# KiCad board raw.kicad_pcb (continued)
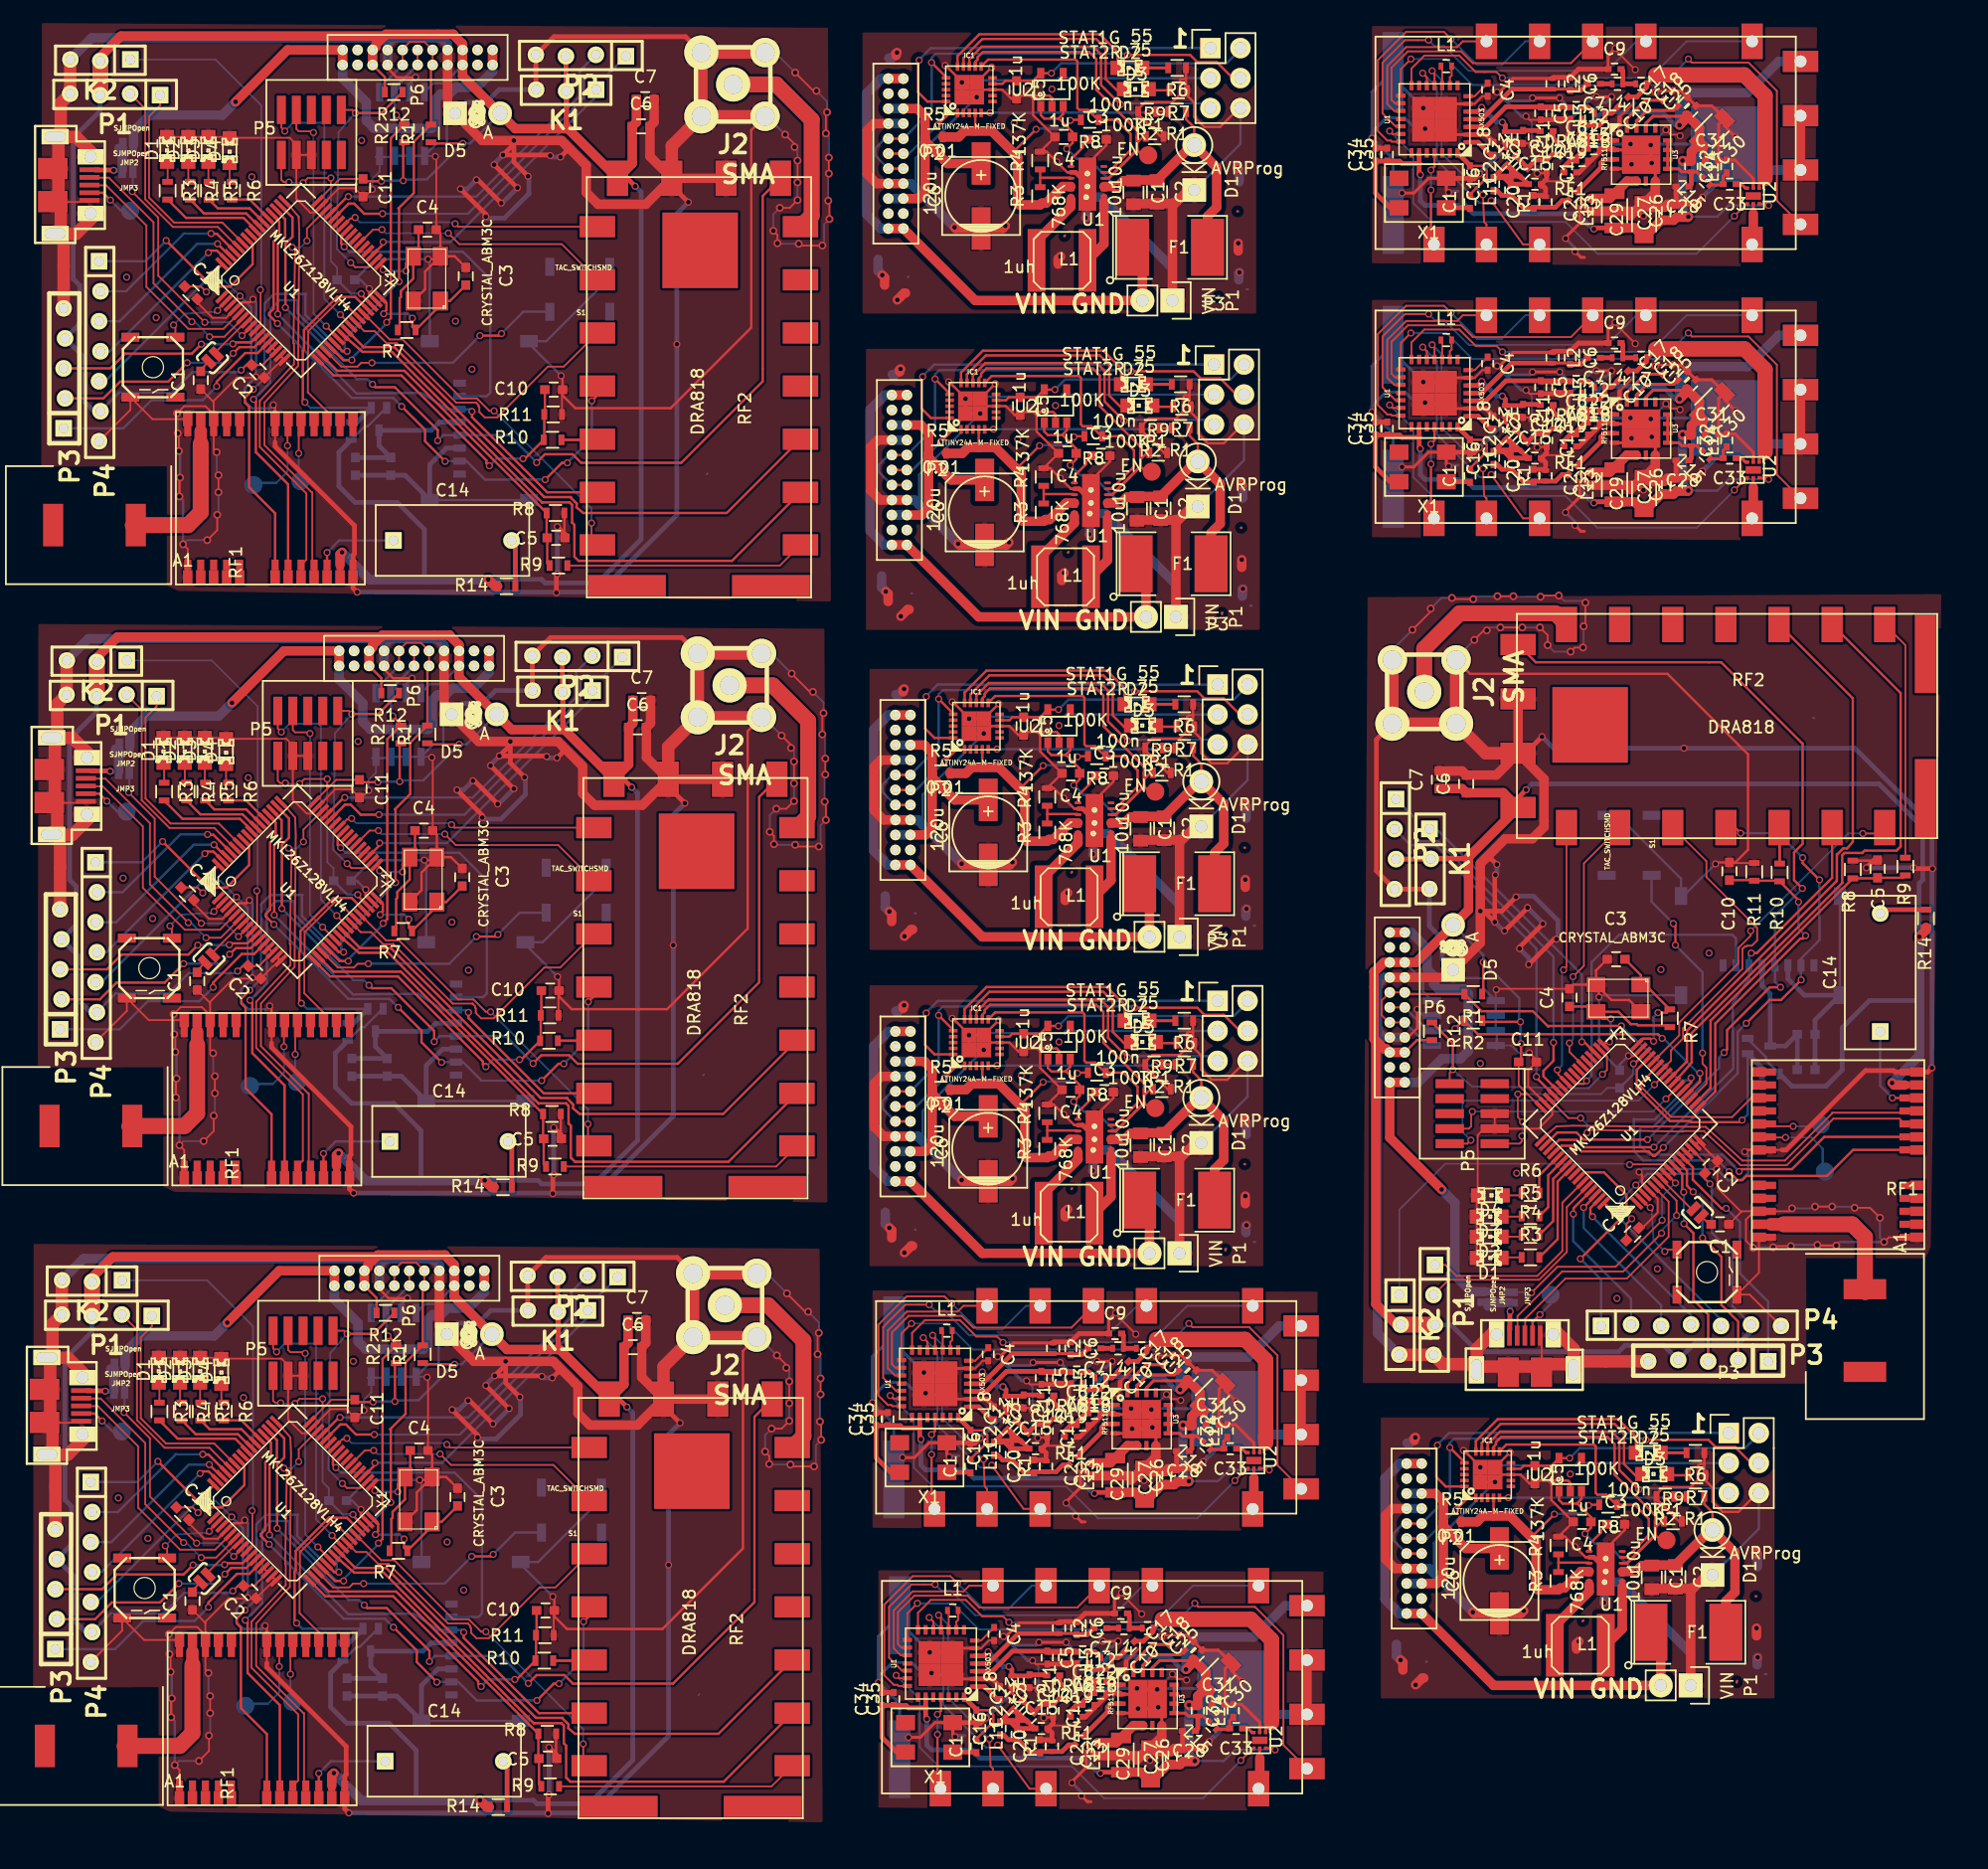
[diagram p0: board, top side]
## Routing (per net, layer and track width the routed paths; a pad name or vN(x,y) marks a point on that pad's centre or on a via; arc(x,y) is an arc through that point) (continued)
  Top w0.8: v1(120.78,17.45) 120.88,17.35 C6#5.2 124.85,17.35 v1(125.07,17.58) ; v1(77.47,54.05) 77.58,53.95 C6#4.2 81.55,53.95 v1(81.78,54.18) ; v1(77.47,80.85) 77.58,80.75 C6#3.2 81.55,80.75 v1(81.78,80.98) ; v1(77.18,107.95) 77.28,107.85 C6#2.2 81.25,107.85 v1(81.47,108.08) ; v1(76.88,134.75) 76.98,134.65 C6.2 80.95,134.65 v1(81.18,134.88) ; C1#5.2 135.97,19.45 139.17,19.45 139.22,19.5 139.22,19.25 ; C1#4.2 92.68,56.05 95.88,56.05 95.93,56.1 95.93,55.85 ; C1#3.2 92.68,82.85 95.88,82.85 95.93,82.9 95.93,82.65 ; C1#2.2 92.38,109.95 95.57,109.95 95.62,110 95.62,109.75 ; C1.2 92.07,136.75 95.28,136.75 95.32,136.8 95.32,136.55 ; 139.22,19.25 140.57,20.6 D1#5.1 ; 139.22,19.25 P1#5.1 ; 95.93,55.85 97.28,57.2 D1#4.1 ; 95.93,55.85 P1#4.1 ; 95.93,82.65 97.28,84 D1.1 ; 95.93,82.65 P1#3.1 ; 95.62,109.75 96.97,111.1 D1#3.1 ; 95.62,109.75 P1#2.1 ; 95.32,136.55 96.68,137.9 D1#2.1 ; 95.32,136.55 P1.1 ; C7#4.2 119.85,88.7 C6#9.2 122.75,88.35 RF2#4.9 ; C7#3.2 50.73,40.25 C6#8.2 50.38,37.35 RF2#3.9 ; C7#2.2 51.13,92.75 C6#7.2 50.77,89.85 RF2#2.9 ; C7.2 51.43,143.65 C6#6.2 51.07,140.75 RF2.9 ; C29#4.2 135.42,113.7 136.22,114.5 U3#8.8 ; C29#4.2 135.72,113.25 C27#4.2 137.28,113.5 C26#4.2 ; C29#4.2 134.12,112.55 134.47,112.9 C24#4.1 ; C29#3.2 135.42,136.9 136.22,137.7 U3#7.8 ; C29#3.2 135.72,136.45 C27#3.2 137.28,136.7 C26#3.2 ; C29#3.2 134.12,135.75 134.47,136.1 C24#3.1 ; C29#2.2 93.62,6.1 94.43,6.9 U3#6.8 ; C29#2.2 93.93,5.65 C27#2.2 95.47,5.9 C26#2.2 ; C29#2.2 92.32,4.95 92.68,5.3 C24#2.1 ; C29.2 93.12,29.8 93.93,30.6 U3#5.8 ; C29.2 93.43,29.35 C27.2 94.97,29.6 C26.2 ; C29.2 91.82,28.65 92.18,29 C24.1 ; RF2#2.9 RF2#2.10 ; RF2#2.9 50.43,85.8 46.38,85.8 45.38,86.8 45.38,89.1 43.27,91.2 v1(39.25,91.2) 36.55,91.2 33.63,94.12 P6#2.8 P6#2.7 ; RF2#4.9 RF2#4.10 ; RF2#4.9 126.8,88 126.8,83.95 125.8,82.95 123.5,82.95 121.4,80.85 v1(121.4,76.83) 121.4,74.13 118.48,71.21 P6#4.8 P6#4.7 ; RF2.9 50.73,136.7 46.68,136.7 45.68,137.7 45.68,140 43.58,142.1 v1(39.55,142.1) 36.86,142.1 33.94,145.02 P6.8 P6.7 ; RF2.9 RF2.10 ; P2#2.7 70.35,116.73 69.78,116.15 69.78,112.45 70.57,111.65 P2#2.15 P2#2.16 ; P2#4.7 70.66,62.83 70.07,62.25 70.07,58.55 70.88,57.75 P2#4.15 P2#4.16 ; RF2#3.9 50.02,33.3 45.98,33.3 44.98,34.3 44.98,36.6 42.88,38.7 v1(38.85,38.7) 36.16,38.7 33.23,41.62 P6#3.8 P6#3.7 ; RF2#3.9 RF2#3.10 ; RF1#7.9 RF1#7.10 ; P2#3.7 70.66,89.63 70.07,89.05 70.07,85.35 70.88,84.55 P2#3.15 P2#3.16 ; RF1#5.9 RF1#5.10 ; P2.7 70.06,143.53 69.47,142.95 69.47,139.25 70.28,138.45 P2.15 P2.16 ; RF1#8.9 RF1#8.10 ; P2#5.7 113.95,26.23 113.38,25.65 113.38,21.95 114.17,21.15 P2#5.15 P2#5.16 ; RF1#6.9 RF1#6.10
  Top w1.056: 121.11,38.45 118.23,38.45 P1#9.4 114.56,39.24 K2#4.3 ; 121.11,38.45 121.11,39.76 122.8,41.45 ; 121.11,38.45 121.31,38.25 126.6,38.25 126.8,38.45 129.3,38.45 ; 0.48,39 0.48,41.87 P1#8.4 1.27,45.54 K2#3.3 ; 0.48,39 1.78,39 3.47,37.3 ; 0.48,39 0.27,38.8 0.27,33.5 0.48,33.3 0.48,30.8 ; 0.88,91.5 0.88,94.37 P1#7.4 1.67,98.04 K2#2.3 ; 0.88,91.5 2.18,91.5 3.87,89.8 ; 0.88,91.5 0.67,91.3 0.67,86 0.88,85.8 0.88,83.3 ; 1.18,142.4 1.18,145.27 P1#6.4 1.96,148.94 K2.3 ; 1.18,142.4 2.48,142.4 4.17,140.7 ; 1.18,142.4 0.97,142.2 0.97,136.9 1.18,136.7 1.18,134.2 ; 129.3,38.45 129.3,39.76 127.6,41.45 ; 129.3,38.45 129.54,38.69 P3#9.5 ; 0.48,30.8 1.78,30.8 3.47,32.5 ; 0.48,30.8 0.71,30.56 P3#8.5 ; 0.88,83.3 2.18,83.3 3.87,85 ; 0.88,83.3 1.11,83.06 P3#7.5 ; 1.18,134.2 2.48,134.2 4.17,135.9 ; 1.18,134.2 1.41,133.96 P3#6.5 ; RF2#4.9 121.85,90.2 J2#4.5 ; RF2#3.9 52.23,38.25 J2#3.5 ; RF2#2.9 52.63,90.75 J2#2.5 ; RF2.9 52.93,141.65 J2.5 ; J2#4.3 J2#4.2 J2#4.5 ; J2#4.5 J2#4.4 ; J2#3.5 J2#3.4 ; J2#3.5 J2#3.2 J2#3.3 ; J2.3 J2.2 J2.5 ; J2.5 J2.4 ; J2#2.4 J2#2.5 ; J2#2.5 J2#2.2 J2#2.3
  Bottom w0.152: v1(125.55,64.83) 124.65,64.83 124.03,65.45 U2#13.4 ; v1(26.85,34.55) 26.85,35.45 27.47,36.07 U2#12.4 ; v1(27.25,87.05) 27.25,87.95 27.87,88.57 U2#11.4 ; v1(27.55,137.95) 27.55,138.85 28.17,139.47 U2#10.4 ; v1(122.75,70.18) 122.7,70.13 U2#13.1 ; v1(32.2,37.35) 32.15,37.4 U2#12.1 ; v1(32.6,89.85) 32.55,89.9 U2#11.1 ; v1(32.9,140.75) 32.85,140.8 U2#10.1 ; v2(120.9,99.8) 119.35,98.25 J2#4.4 ; v2(61.82,39.2) 60.28,40.75 J2#3.4 ; v2(62.23,91.7) 60.68,93.25 J2#2.4 ; v2(62.52,142.6) 60.98,144.15 J2.4 ; v2(121.95,100.6) 122.2,100.85 v2(123.1,100.85) ; v2(62.63,38.15) 62.88,37.9 v2(62.88,37) ; v2(63.02,90.65) 63.27,90.4 v2(63.27,89.5) ; v2(63.32,141.55) 63.57,141.3 v2(63.57,140.4) ; v2(124.95,100.85) v2(126.45,100.85) ; v2(62.88,35.15) v2(62.88,33.65) ; v2(63.27,87.65) v2(63.27,86.15) ; v2(63.57,138.55) v2(63.57,137.05) ; v2(127.1,99.35) 127.65,98.8 v2(129.05,98.8) ; v2(61.38,33) 60.82,32.45 v2(60.82,31.05) ; v2(61.77,85.5) 61.23,84.95 v2(61.23,83.55) ; v2(62.07,136.4) 61.52,135.85 v2(61.52,134.45) ; v2(130.1,99.15) 130.15,99.2 v2(130.15,100.95) ; v2(61.18,30) 61.23,29.95 v2(62.98,29.95) ; v2(61.57,82.5) 61.63,82.45 v2(63.38,82.45) ; v2(61.88,133.4) 61.93,133.35 v2(63.68,133.35) ; v2(130.3,102.95) 130.15,103.1 128.5,103.1 v2(128.05,103.55) ; v2(64.97,29.8) 65.12,29.95 65.12,31.6 v2(65.57,32.05) ; v2(65.38,82.3) 65.53,82.45 65.53,84.1 v2(65.97,84.55) ; v2(65.68,133.2) 65.82,133.35 65.82,135 v2(66.28,135.45) ; v2(115.65,100.65) 113.95,98.95 J2#4.3 ; v2(62.68,44.45) 60.97,46.15 J2#3.3 ; v2(63.07,96.95) 61.37,98.65 J2#2.3 ; v2(63.38,147.85) 61.67,149.55 J2.3 ; v2(117.2,102.45) 118.1,103.35 v2(119,103.35) ; v2(64.47,42.9) 65.38,42 v2(65.38,41.1) ; v2(64.88,95.4) 65.78,94.5 v2(65.78,93.6) ; v2(65.18,146.3) 66.07,145.4 v2(66.07,144.5) ; v2(120.8,103.25) 121.05,103.5 v2(122.85,103.5) ; v2(65.28,39.3) 65.53,39.05 v2(65.53,37.25) ; v2(65.68,91.8) 65.93,91.55 v2(65.93,89.75) ; v2(65.97,142.7) 66.22,142.45 v2(66.22,140.65) ; v2(124.2,103.5) 124.25,103.45 v2(126.5,103.45) ; v2(65.53,35.9) 65.47,35.85 v2(65.47,33.6) ; v2(65.93,88.4) 65.88,88.35 v2(65.88,86.1) ; v2(66.22,139.3) 66.18,139.25 v2(66.18,137) ; v2(155.6,48.8) 155.25,49.15 v2(155.25,50.85) ; v2(10.83,4.5) 11.18,4.85 v2(12.88,4.85) ; v2(11.23,57) 11.58,57.35 v2(13.28,57.35) ; v2(11.53,107.9) 11.88,108.25 v2(13.58,108.25) ; v2(153.1,51.7) 153,51.8 v2(151.2,51.8) ; v2(13.73,7) 13.83,7.1 v2(13.83,8.9) ; v2(14.12,59.5) 14.23,59.6 v2(14.23,61.4) ; v2(14.43,110.4) 14.53,110.5 v2(14.53,112.3) ; v2(149.75,51.8) 149.6,51.65 v2(147.8,51.65) ; v2(13.83,10.35) 13.68,10.5 v2(13.68,12.3) ; v2(14.23,62.85) 14.08,63 v2(14.08,64.8) ; v2(14.53,113.75) 14.38,113.9 v2(14.38,115.7) ; v2(144.5,48.3) 144.55,48.35 v2(146.2,48.35) ; v2(10.33,15.6) 10.38,15.55 v2(10.38,13.9) ; v2(10.73,68.1) 10.78,68.05 v2(10.78,66.4) ; v2(11.03,119) 11.08,118.95 v2(11.08,117.3)
  Bottom w0.16: 113.53,113.1 RF1#8.P3 ; 113.53,136.3 RF1#7.P3 ; 71.72,5.5 RF1#6.P3 ; 71.22,29.2 RF1#5.P3 ; v1(125.28,120.95) 125.78,120.45 v1(125.78,118.45) ; v1(125.28,144.15) 125.78,143.65 v1(125.78,141.65) ; v1(83.47,13.35) 83.97,12.85 v1(83.97,10.85) ; v1(82.97,37.05) 83.47,36.55 v1(83.47,34.55) ; v1(138.32,119.3) 138.42,119.3 ; v1(138.32,142.5) 138.42,142.5 ; v1(96.53,11.7) 96.62,11.7 ; v1(96.03,35.4) 96.12,35.4 ; v1(135.84,141.71) v1(137.12,143) ; v1(93.54,34.61) v1(94.82,35.9) ; v1(94.04,10.91) v1(95.32,12.2) ; v1(135.84,118.51) v1(137.12,119.8)
  Bottom w0.2: v1(122.65,28.48) 117.47,23.3 117.47,20.75 ; v1(79.35,65.08) 74.18,59.9 74.18,57.35 ; v1(79.35,91.88) 74.18,86.7 74.18,84.15 ; v1(79.05,118.98) 73.88,113.8 73.88,111.25 ; v1(78.75,145.78) 73.57,140.6 73.57,138.05 ; 121.42,29.75 v1(121.4,29.72) ; 78.12,66.35 v1(78.1,66.32) ; 78.12,93.15 v1(78.1,93.12) ; 77.82,120.25 v1(77.8,120.22) ; 77.53,147.05 v1(77.5,147.02) ; D1#5.1 144.99,24.52 P3#4.6 144.99,27.22 ; D1#4.1 101.69,61.12 P3#5.6 101.69,63.82 ; D1.1 101.69,87.92 P3#3.6 101.69,90.62 ; D1#3.1 101.39,115.02 101.39,118.05 101.39,117.72 ; D1#2.1 101.09,141.81 101.09,144.85 101.09,144.52 ; 118,68.2 117.52,68.2 U2#13.7 116.57,67.99 v1(116.05,68.5) ; 30.23,42.1 30.23,42.59 U2#12.7 30.01,43.54 v1(30.52,44.05) ; 30.62,94.6 30.62,95.09 U2#11.7 30.41,96.04 v1(30.93,96.55) ; 30.93,145.5 30.93,145.99 U2#10.7 30.71,146.94 v1(31.23,147.45) ; U2#13.4 122.8,65.15 122.8,66.62 U2#13.3 U2#13.2 U2#13.1 121.65,70.31 121.65,71.15 119.8,71.15 119.11,71.84 ; U2#12.4 27.18,37.3 28.64,37.3 U2#12.3 U2#12.2 U2#12.1 32.33,38.45 33.18,38.45 33.18,40.3 33.87,40.99 ; U2#11.4 27.58,89.8 29.04,89.8 U2#11.3 U2#11.2 U2#11.1 32.73,90.95 33.58,90.95 33.58,92.8 34.27,93.49 ; U2#10.4 27.88,140.7 29.34,140.7 U2#10.3 U2#10.2 U2#10.1 33.03,141.85 33.88,141.85 33.88,143.7 34.57,144.39 ; v1(133.95,64.58) 133.95,64.48 133.85,64.48 133.2,63.83 C12#8.2 131.45,65.1 v1(131.45,69.55) 131.61,69.71 J1#4.SHLD ; v1(26.6,26.15) 26.5,26.15 26.5,26.25 25.85,26.9 C12#7.2 27.12,28.65 v1(31.58,28.65) 31.73,28.5 J1#3.SHLD ; v1(27,78.65) 26.9,78.65 26.9,78.75 26.25,79.4 C12#6.2 27.52,81.15 v1(31.98,81.15) 32.13,81 J1#2.SHLD ; v1(27.3,129.55) 27.2,129.55 27.2,129.65 26.55,130.3 C12#5.2 27.83,132.05 v1(32.27,132.05) 32.43,131.9 J1.SHLD ; v1(134.85,54.73) 135.13,55 v1(141.43,54.98) 142.38,54.03 143.48,54.03 144.08,54.63 144.08,56.18 v1(143.8,56.45) ; v1(16.75,25.25) 17.02,24.98 v1(17,18.68) 16.05,17.73 16.05,16.62 16.65,16.03 18.2,16.03 v1(18.48,16.3) ; v1(17.15,77.75) 17.43,77.48 v1(17.4,71.18) 16.45,70.23 16.45,69.13 17.05,68.53 18.6,68.53 v1(18.88,68.8) ; v1(17.45,128.65) 17.73,128.38 v1(17.7,122.08) 16.75,121.13 16.75,120.03 17.35,119.43 18.9,119.43 v1(19.18,119.7) ; v1(141.33,80.83) 138.61,78.11 J1#4.SHLD 138.4,79.58 133.04,84.94 S1#4.4 ; v1(42.85,18.78) 40.13,21.5 J1#3.SHLD 41.6,21.7 46.97,27.06 S1#3.4 ; v1(43.25,71.28) 40.53,74 J1#2.SHLD 42,74.2 47.37,79.57 S1#2.4 ; v1(43.55,122.18) 40.83,124.9 J1.SHLD 42.3,125.1 47.66,130.47 47.66,131.41 ; v2(147.7,48.45) 147.8,48.55 v2(149.95,48.55) ; v2(10.48,12.4) 10.58,12.3 v2(10.58,10.15) ; v2(10.88,64.9) 10.98,64.8 v2(10.98,62.65) ; v2(11.18,115.8) 11.28,115.7 v2(11.28,113.55) ; v2(151.55,48.5) 151.85,48.8 v2(155.6,48.8) ; v2(10.53,8.55) 10.83,8.25 v2(10.83,4.5) ; v2(10.93,61.05) 11.23,60.75 v2(11.23,57) ; v2(11.23,111.95) 11.53,111.65 v2(11.53,107.9) ; v1(126.22,116.1) 125.78,116.55 v1(125.78,118.45) ; v1(126.22,139.3) 125.78,139.75 v1(125.78,141.65) ; v1(84.43,8.5) 83.97,8.95 v1(83.97,10.85) ; v1(83.93,32.2) 83.47,32.65 v1(83.47,34.55) ; C8#5.1 25.88,113.5 ; 96.57,101.05 96.62,101.05 ; C9#6.1 28.88,62.9 ; 96.88,47.15 96.93,47.15 ; J1#2.SHLD J1#2.SHLD ; J1#4.SHLD J1#4.SHLD ; C8#7.1 25.18,10.1 ; C9#7.1 28.48,10.4 ; 96.88,73.95 96.93,73.95 ; C8#8.1 150,63.15 ; C9#8.1 149.7,66.45 ; C9#5.1 29.18,113.8 ; J1#3.SHLD J1#3.SHLD ; 96.28,127.85 96.32,127.85 ; C8#6.1 25.58,62.6 ; J1.SHLD J1.SHLD ; 140.17,10.55 140.22,10.55
  Bottom w0.25: v1(114.78,114.45) 114.03,113.7 RF1#8.P3 114.03,117.3 v1(112.22,119.1) ; v1(114.78,137.65) 114.03,136.9 RF1#7.P3 114.03,140.5 v1(112.22,142.3) ; v1(72.97,6.85) 72.22,6.1 RF1#6.P3 72.22,9.7 v1(70.43,11.5) ; v1(72.47,30.55) 71.72,29.8 RF1#5.P3 71.72,33.4 v1(69.93,35.2) ; v1(112.22,119.1) 112.22,123 RF1#8.P2 114.03,124.2 v1(116.58,121.65) ; v1(112.22,119.1) 112.22,119.6 113.42,120.8 115.03,120.8 115.92,119.9 v1(116.72,119.9) ; v1(112.22,142.3) 112.22,142.8 113.42,144 115.03,144 115.92,143.1 v1(116.72,143.1) ; v1(112.22,142.3) 112.22,146.2 RF1#7.P2 114.03,147.4 v1(116.58,144.85) ; v1(70.43,11.5) 70.43,15.4 RF1#6.P2 72.22,16.6 v1(74.78,14.05) ; v1(70.43,11.5) 70.43,12 71.62,13.2 73.22,13.2 74.12,12.3 v1(74.93,12.3) ; v1(69.93,35.2) 69.93,39.1 RF1#5.P2 71.72,40.3 v1(74.28,37.75) ; v1(69.93,35.2) 69.93,35.7 71.12,36.9 72.72,36.9 73.62,36 v1(74.43,36) ; v1(122.82,123) 123.57,122.25 ; 123.57,122.25 125.57,122.25 v1(125.82,122.5) ; 123.57,122.25 124.88,120.95 v1(125.28,120.95) ; v1(122.82,146.2) 123.57,145.45 ; 123.57,145.45 125.57,145.45 v1(125.82,145.7) ; 123.57,145.45 124.88,144.15 v1(125.28,144.15) ; v1(81.03,15.4) 81.78,14.65 ; 81.78,14.65 83.78,14.65 v1(84.03,14.9) ; 81.78,14.65 83.07,13.35 v1(83.47,13.35) ; v1(80.53,39.1) 81.28,38.35 ; 81.28,38.35 83.28,38.35 v1(83.53,38.6) ; 81.28,38.35 82.57,37.05 v1(82.97,37.05) ; v1(134.21,116.89) 134.12,116.98 v1(134.12,118.6) ; v1(134.21,140.09) 134.12,140.18 v1(134.12,141.8) ; v1(92.41,9.29) 92.32,9.38 v1(92.32,11) ; v1(91.91,32.99) 91.82,33.08 v1(91.82,34.7) ; v1(135.84,118.51) 135.92,118.43 v1(135.92,117) ; v1(135.84,141.71) 135.92,141.62 v1(135.92,140.2) ; v1(94.04,10.91) 94.12,10.83 v1(94.12,9.4) ; v1(93.54,34.61) 93.62,34.53 v1(93.62,33.1) ; v1(118.72,114.5) 118.82,114.6 119.53,114.6 ; v1(118.72,137.7) 118.82,137.8 119.53,137.8 ; v1(76.93,6.9) 77.03,7 77.72,7 ; v1(76.43,30.6) 76.53,30.7 77.22,30.7 ; v1(143.03,119.2) RF1#8.P1 129.62,118.6 v1(128.92,119.3) 128.92,120.6 130.92,122.6 v1(131.22,122.6) ; v1(143.03,142.4) RF1#7.P1 129.62,141.8 v1(128.92,142.5) 128.92,143.8 130.92,145.8 v1(131.22,145.8) ; v1(101.22,11.6) RF1#6.P1 87.82,11 v1(87.12,11.7) 87.12,13 89.12,15 v1(89.43,15) ; v1(100.72,35.3) RF1#5.P1 87.32,34.7 v1(86.62,35.4) 86.62,36.7 88.62,38.7 v1(88.93,38.7) ; v1(135.22,112.5) 135.32,112.6 135.32,113.7 ; v1(135.22,135.7) 135.32,135.8 135.32,136.9 ; v1(93.43,4.9) 93.53,5 93.53,6.1 ; v1(92.93,28.6) 93.03,28.7 93.03,29.8 ; v1(128.62,110.6) 129.42,109.8 v1(129.42,109.5) ; v1(128.62,133.8) 129.42,133 v1(129.42,132.7) ; v1(86.82,3) 87.62,2.2 v1(87.62,1.9) ; v1(86.32,26.7) 87.12,25.9 v1(87.12,25.6) ; v1(90.72,15) 90.22,14.5 89.93,14.5 89.43,14 87.22,14 v1(86.32,14.9) ; v1(132.53,122.6) 132.03,122.1 131.72,122.1 131.22,121.6 129.03,121.6 v1(128.12,122.5) ; v1(132.53,145.8) 132.03,145.3 131.72,145.3 131.22,144.8 129.03,144.8 v1(128.12,145.7) ; v1(90.22,38.7) 89.72,38.2 89.43,38.2 88.93,37.7 86.72,37.7 v1(85.82,38.6) ; v1(91.03,19.1) 91.32,19.4 ; v1(132.82,126.7) 133.12,127 ; v1(132.82,149.9) 133.12,150.2 ; v1(90.53,42.8) 90.82,43.1
  Bottom w0.4: v1(126.63,91.6) 127.6,90.63 v1(138.65,90.63) 153.13,90.63 159.65,84.1 159.65,80.43 ; v1(53.63,33.48) 52.65,32.5 v1(52.65,21.45) 52.65,6.98 46.12,0.45 42.45,0.45 ; v1(54.02,85.98) 53.05,85 v1(53.05,73.95) 53.05,59.48 46.52,52.95 42.85,52.95 ; v1(54.32,136.88) 53.35,135.9 v1(53.35,124.85) 53.35,110.38 46.83,103.85 43.15,103.85 ; 159.65,80.43 v1(159.7,80.43) ; 159.65,80.43 v1(159.65,63.55) ; 42.45,0.45 v1(42.45,0.4) ; 42.45,0.45 v1(25.58,0.45) ; 42.85,52.95 v1(42.85,52.9) ; 42.85,52.95 v1(25.98,52.95) ; 43.15,103.85 v1(43.15,103.8) ; 43.15,103.85 v1(26.27,103.85) ; J1#4.6 147.46,71.1 148.85,69.71 J1#4.SHLD 149.75,67.61 C9#8.1 C8#8.1 ; J1#3.6 33.12,12.65 31.73,11.25 J1#3.SHLD 29.63,10.35 C9#7.1 C8#7.1 ; J1#2.6 33.52,65.15 32.13,63.75 J1#2.SHLD 30.03,62.85 C9#6.1 C8#6.1 ; J1.6 33.82,116.05 32.43,114.65 J1.SHLD 30.33,113.75 C9#5.1 C8#5.1 ; D5#4.1 118.18,72.78 118.18,74.48 117.09,75.57 K1#4.3 ; D5#3.1 34.8,41.93 36.5,41.93 37.59,43.01 K1#3.3 ; D5#2.1 35.2,94.43 36.9,94.43 37.99,95.51 K1#2.3 ; D5.1 35.5,145.33 37.2,145.33 38.29,146.41 K1.3 ; v1(122.63,75.9) 123.38,75.15 v1(123.45,75.15) ; v1(37.93,37.48) 37.18,36.73 v1(37.18,36.65) ; v1(38.33,89.98) 37.58,89.23 v1(37.58,89.15) ; v1(38.62,140.88) 37.88,140.12 v1(37.88,140.05) ; v1(125.4,77.13) 126.7,75.83 v1(126.7,75.75) ; v1(39.15,34.7) 37.85,33.4 v1(37.77,33.4) ; v1(39.55,87.2) 38.25,85.9 v1(38.18,85.9) ; v1(39.85,138.1) 38.55,136.8 v1(38.48,136.8) ; v1(124.73,73.65) 125.5,72.88 v1(125.5,72.3) ; v1(35.68,35.38) 34.9,34.6 v1(34.33,34.6) ; v1(36.08,87.88) 35.3,87.1 v1(34.73,87.1) ; v1(36.38,138.78) 35.6,138 v1(35.02,138) ; v1(127.85,74.45) 127.98,74.58 127.98,76.03 125.9,78.1 124.5,78.1 v1(124.43,78.03) ; v1(36.48,32.25) 36.6,32.12 38.05,32.12 40.12,34.2 40.12,35.6 v1(40.05,35.68) ; v1(36.88,84.75) 37,84.63 38.45,84.63 40.52,86.7 40.52,88.1 v1(40.45,88.18) ; v1(37.18,135.65) 37.3,135.53 38.75,135.53 40.83,137.6 40.83,139 v1(40.75,139.08) ; v1(121.4,76.83) 121.4,76.88 ; v1(38.85,38.7) 38.9,38.7 ; v1(39.25,91.2) 39.3,91.2 ; v1(39.55,142.1) 39.6,142.1 ; v1(122.68,79.9) 122.8,80.03 v1(122.8,80.78) ; v1(41.93,37.43) 42.05,37.3 v1(42.8,37.3) ; v1(42.33,89.93) 42.45,89.8 v1(43.2,89.8) ; v1(42.62,140.83) 42.75,140.7 v1(43.5,140.7) ; v1(140.22,114.1) 142.42,116.3 RF1#8.P1 ; v1(140.22,137.3) 142.42,139.5 RF1#7.P1 ; v1(98.43,6.5) 100.62,8.7 RF1#6.P1 ; v1(97.93,30.2) 100.12,32.4 RF1#5.P1 ; v1(121.32,116.1) 123.12,117.9 v1(123.42,117.9) ; v1(121.32,139.3) 123.12,141.1 v1(123.42,141.1) ; v1(79.53,8.5) 81.32,10.3 v1(81.62,10.3) ; v1(79.03,32.2) 80.82,34 v1(81.12,34) ; v1(91.82,34.7) v1(90.53,36) ; v1(42.52,6) v1(42.52,2) ; v1(134.12,141.8) v1(132.82,143.1) ; v1(154.1,80.5) v1(158.1,80.5) ; v1(43.23,109.4) v1(43.23,105.4) ; v1(134.12,118.6) v1(132.82,119.9) ; v1(42.93,58.5) v1(42.93,54.5) ; v1(92.32,11) v1(91.03,12.3)
  Bottom w0.8: v1(120.78,17.45) 117.07,21.15 P2#5.16 ; v1(77.47,54.05) 73.78,57.75 P2#4.16 ; v1(77.47,80.85) 73.78,84.55 P2#3.16 ; v1(77.18,107.95) 73.47,111.65 P2#2.16 ; v1(76.88,134.75) 73.18,138.45 P2.16 ; v1(131.88,18.25) 131.92,18.3 U1#5.PAD 133.22,20 139.22,14 P1#5.1 ; v1(88.57,54.85) 88.62,54.9 U1#4.PAD 89.93,56.6 95.93,50.6 P1#4.1 ; v1(88.57,81.65) 88.62,81.7 U1.PAD 89.93,83.4 95.93,77.4 P1#3.1 ; v1(88.28,108.75) 88.32,108.8 U1#3.PAD 89.62,110.5 95.62,104.5 P1#2.1 ; v1(87.97,135.55) 88.03,135.6 U1#2.PAD 89.32,137.3 95.32,131.3 P1.1 ; 112.7,66.65 112.7,70.65 113.26,71.21 P6#4.7 ; 112.7,66.65 112.7,41.08 114.52,39.26 K2#4.3 ; 112.7,66.65 113.2,66.15 113.71,66.15 P6#4.15 P6#4.16 ; 28.68,47.4 32.68,47.4 33.23,46.84 P6#3.7 ; 28.68,47.4 3.1,47.4 1.29,45.59 K2#3.3 ; 28.68,47.4 28.18,46.9 28.18,46.39 P6#3.15 P6#3.16 ; 29.08,99.9 33.08,99.9 33.63,99.34 P6#2.7 ; 29.08,99.9 3.5,99.9 1.69,98.09 K2#2.3 ; 29.08,99.9 28.58,99.4 28.58,98.89 P6#2.15 P6#2.16 ; 29.38,150.8 33.38,150.8 33.94,150.24 P6.7 ; 29.38,150.8 3.8,150.8 1.99,148.99 K2.3 ; 29.38,150.8 28.88,150.3 28.88,149.79 P6.15 P6.16 ; RF1#8.P1 144.62,116.4 RF1#8.10 ; RF1#7.P1 144.62,139.6 RF1#7.10 ; RF1#6.P1 102.82,8.8 RF1#6.10 ; RF1#5.P1 102.32,32.5 RF1#5.10 ; P2#4.7 P2#4.8 ; P2.7 P2.8 ; P2#3.7 P2#3.8 ; P2#5.7 P2#5.8 ; P2#2.7 P2#2.8
